# Altium PCB Booster_Main_Board.PcbDoc (part 1 of 13) (continued)
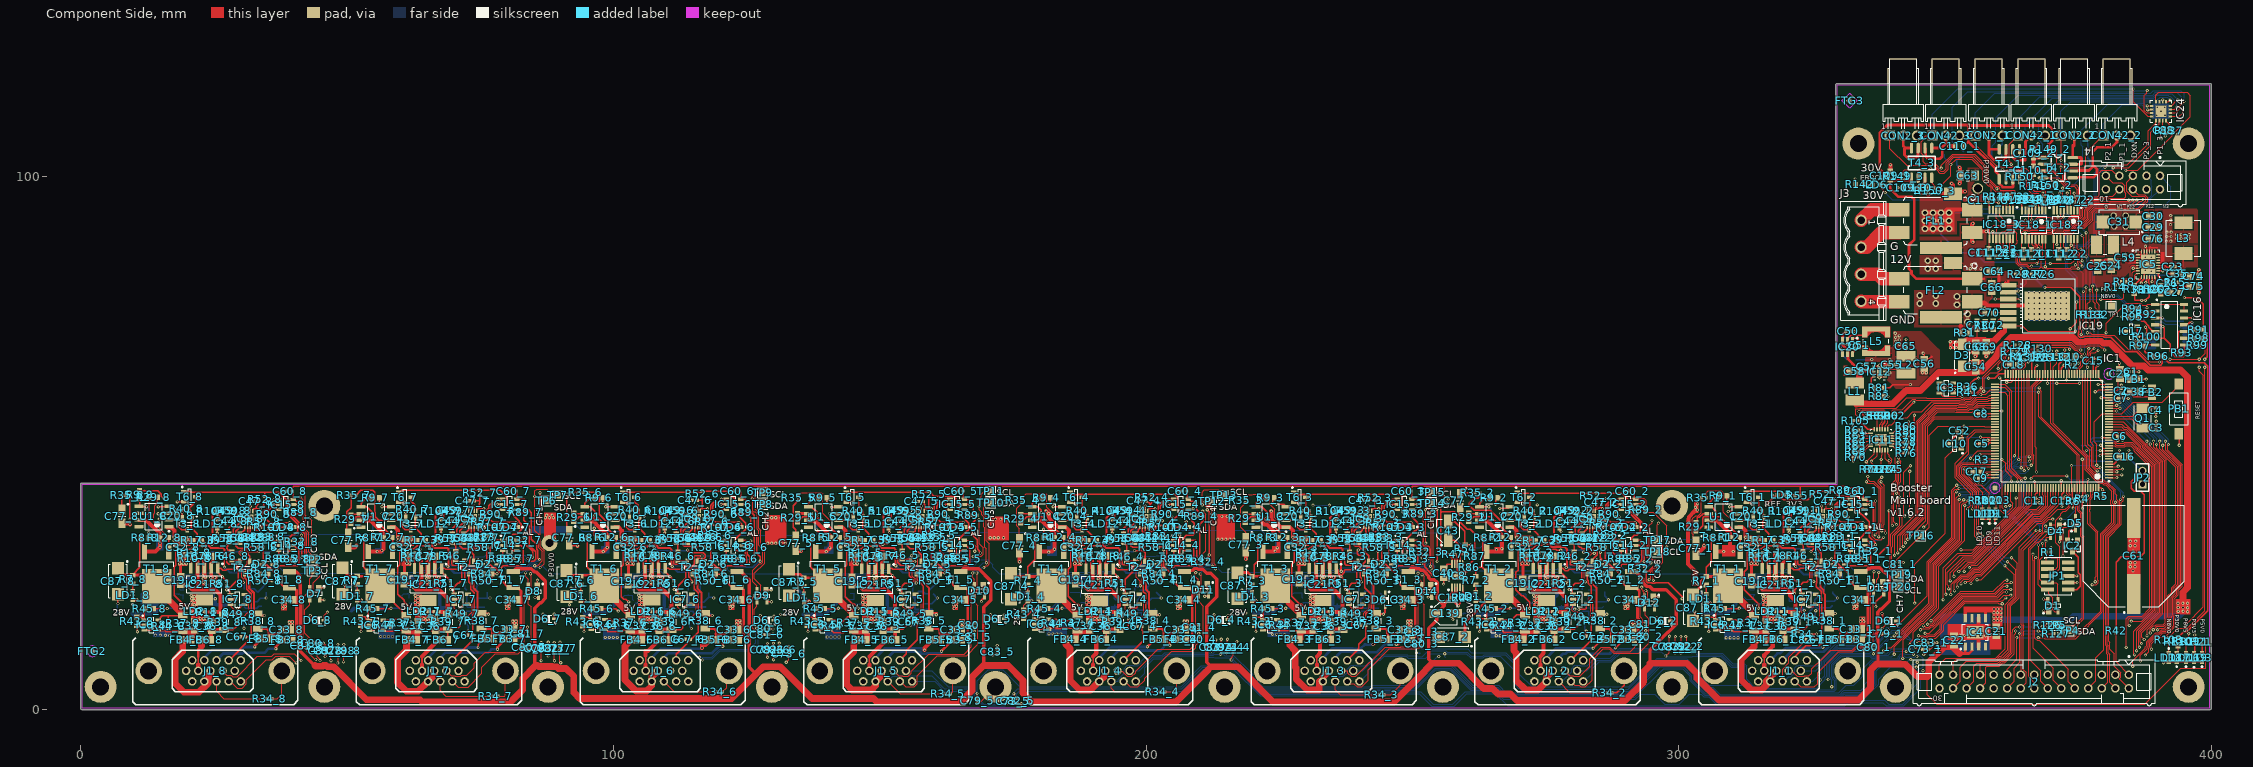
[diagram p0: Component Side view]
## Components (designator, comment, footprint, x,y, rotation, side; value= is the part's Value field where it differs from the comment)
C1 "10nF" CAPC1005X55N 384.962,63.398 r0 top
C2 "10nF" CAPC1005X55N 383.083,59.817 r90 top
C3 "12pF" CAPC1005X55N 389.636,52.908 r90 top
C4 "12pF" CAPC1005X55N 389.534,56.21 r270 top
C5 "100nF" CAPC1005X55N 356.895,49.886 r180 top
C6 "100nF" CAPC1005X55N 382.829,51.283 r0 top
C7 "100nF" CAPC1005X55N 383.057,58.42 r0 top
C8 "100nF" CAPC1005X55N 356.743,55.55 r180 top
C9 "100nF" CAPC1005X55N 356.718,43.409 r180 top
C10 "10uF" CAPC2012X135N 373.405,66.218 r0 top
C11 "100nF" CAPC1005X55N 366.928,39.192 r270 top
C12 "100nF" CAPC1005X55N 366.293,66.065 r90 top
C13 "100nF" CAPC1005X55N 371.932,39.192 r270 top
C14 "100nF" CAPC1005X55N 362.56,66.015 r0 top
C15 "100nF" CAPC1005X55N 377.85,65.507 r90 top
C16 "10uF" CAPC2012X135N 383.616,47.498 r0 top
C17 "2.2uF" CAPC1608X90N 355.956,44.602 r0 top
C18 "2.2uF" CAPC1608X90N 362.89,64.77 r180 top
C19_1 "10uF" CAPC2012X135N 313.69,24.105 r270 top (schematic designator C19)
C19_2 "10uF" CAPC2012X135N 270.713,23.698 r270 top (schematic designator C19)
C19_3 "10uF" CAPC2012X135N 228.727,24.486 r270 top (schematic designator C19)
C19_4 "10uF" CAPC2012X135N 186.766,24.359 r270 top (schematic designator C19)
C19_5 "10uF" CAPC2012X135N 144.78,24.105 r270 top (schematic designator C19)
C19_6 "10uF" CAPC2012X135N 102.819,24.13 r270 top (schematic designator C19)
C19_7 "10uF" CAPC2012X135N 60.757,24.359 r270 top (schematic designator C19)
C19_8 "10uF" CAPC2012X135N 18.728,24.254 r270 top (schematic designator C19)
C20_1 "3.3nF" CAPC1005X55N 312.755,36.275 r270 top (schematic designator C20)
C20_2 "3.3nF" CAPC1005X55N 269.755,36.275 r270 top (schematic designator C20)
C20_3 "3.3nF" CAPC1005X55N 227.755,36.275 r270 top (schematic designator C20)
C20_4 "3.3nF" CAPC1005X55N 185.755,36.275 r270 top (schematic designator C20)
C20_5 "3.3nF" CAPC1005X55N 143.755,36.275 r270 top (schematic designator C20)
C20_6 "3.3nF" CAPC1005X55N 101.755,36.275 r270 top (schematic designator C20)
C20_7 "3.3nF" CAPC1005X55N 59.755,36.275 r270 top (schematic designator C20)
C20_8 "3.3nF" CAPC1005X55N 18.034,36.424 r270 top (schematic designator C20)
C21 "1uF" CAPC2012X110N 359.588,14.707 r90 top
C22 "1uF" CAPC2012X110N 351.688,12.979 r270 top
C23 "100nF" CAPC1005X55N 392.778,83.104 r0 top
C24 "22uF" CAPC2012X135N 381.228,83.354 r270 top
C25 "22uF" CAPC2012X135N 378.65,83.177 r270 top
C26 "22pF" CAPC1005X55N 391.706,80.077 r90 top
C27 "1nF" CAPC1608X87N 393.228,78.314 r0 top
C28 "1uF" CAPC2012X110N 382.837,62.999 r270 top
C29 "22uF" CAPC2012X135N 389.074,90.566 r180 top
C30 "22uF" CAPC2012X135N 389.099,92.649 r180 top
C31 "150uF" CAPMP7343X310N 382.728,91.554 r180 top
C32_1 "4.7uF" CAPC3216X180N 314.113,30.51 r90 top (schematic designator C32)
C32_2 "4.7uF" CAPC3216X180N 271.094,30.531 r90 top (schematic designator C32)
C32_3 "4.7uF" CAPC3216X180N 229.113,30.51 r90 top (schematic designator C32)
C32_4 "4.7uF" CAPC3216X180N 187.113,30.51 r90 top (schematic designator C32)
C32_5 "4.7uF" CAPC3216X180N 145.113,30.51 r90 top (schematic designator C32)
C32_6 "4.7uF" CAPC3216X180N 103.113,30.51 r90 top (schematic designator C32)
C32_7 "4.7uF" CAPC3216X180N 61.113,30.51 r90 top (schematic designator C32)
C32_8 "4.7uF" CAPC3216X180N 19.113,30.481 r90 top (schematic designator C32)
C33_1 "1uF" CAPC2012X110N 333.451,15.113 r180 top (schematic designator C33)
C33_2 "1uF" CAPC2012X110N 290.557,14.986 r180 top (schematic designator C33)
C33_3 "1uF" CAPC2012X110N 248.557,14.986 r180 top (schematic designator C33)
C33_4 "1uF" CAPC2012X110N 206.557,14.986 r180 top (schematic designator C33)
C33_5 "1uF" CAPC2012X110N 164.557,14.986 r180 top (schematic designator C33)
C33_6 "1uF" CAPC2012X110N 122.557,14.986 r180 top (schematic designator C33)
C33_7 "1uF" CAPC2012X110N 80.543,15.062 r180 top (schematic designator C33)
C33_8 "1uF" CAPC2012X110N 38.557,14.986 r180 top (schematic designator C33)
C34_1 "1uF" CAPC2012X110N 334.065,20.628 r0 top (schematic designator C34)
C34_2 "1uF" CAPC2012X110N 291.065,20.628 r0 top (schematic designator C34)
C34_3 "1uF" CAPC2012X110N 249.065,20.628 r0 top (schematic designator C34)
C34_4 "1uF" CAPC2012X110N 207.065,20.628 r0 top (schematic designator C34)
C34_5 "1uF" CAPC2012X110N 165.065,20.628 r0 top (schematic designator C34)
C34_6 "1uF" CAPC2012X110N 123.065,20.628 r0 top (schematic designator C34)
C34_7 "1uF" CAPC2012X110N 81.065,20.628 r0 top (schematic designator C34)
C34_8 "1uF" CAPC2012X110N 39.065,20.599 r0 top (schematic designator C34)
C35 "2.2uF" CAPC1608X90N 393.569,81.778 r180 top
C36_1 "1uF" CAPC2012X110N 319.638,15.675 r270 top (schematic designator C36)
C36_2 "1uF" CAPC2012X110N 276.638,15.675 r270 top (schematic designator C36)
C36_3 "1uF" CAPC2012X110N 234.638,15.675 r270 top (schematic designator C36)
C36_4 "1uF" CAPC2012X110N 192.638,15.675 r270 top (schematic designator C36)
C36_5 "1uF" CAPC2012X110N 150.638,15.675 r270 top (schematic designator C36)
C36_6 "1uF" CAPC2012X110N 108.638,15.675 r270 top (schematic designator C36)
C36_7 "1uF" CAPC2012X110N 66.638,15.675 r270 top (schematic designator C36)
C36_8 "1uF" CAPC2012X110N 24.638,15.646 r270 top (schematic designator C36)
C37_1 "1uF" CAPC2012X110N 316.412,15.748 r270 top (schematic designator C37)
C37_2 "1uF" CAPC2012X110N 273.412,15.748 r270 top (schematic designator C37)
C37_3 "1uF" CAPC2012X110N 231.412,15.748 r270 top (schematic designator C37)
C37_4 "1uF" CAPC2012X110N 189.412,15.748 r270 top (schematic designator C37)
C37_5 "1uF" CAPC2012X110N 147.412,15.748 r270 top (schematic designator C37)
C37_6 "1uF" CAPC2012X110N 105.412,15.748 r270 top (schematic designator C37)
C37_7 "1uF" CAPC2012X110N 63.412,15.748 r270 top (schematic designator C37)
C37_8 "1uF" CAPC2012X110N 21.412,15.719 r270 top (schematic designator C37)
C38 "1uF" CAPC2012X110N 385.639,59.69 r180 top
C39_1 "100nF" CAPC1005X55N 320.451,31.83 r180 top (schematic designator C39)
C39_2 "100nF" CAPC1005X55N 277.451,31.83 r180 top (schematic designator C39)
C39_3 "100nF" CAPC1005X55N 235.451,31.83 r180 top (schematic designator C39)
C39_4 "100nF" CAPC1005X55N 193.451,31.83 r180 top (schematic designator C39)
C39_5 "100nF" CAPC1005X55N 151.451,31.83 r180 top (schematic designator C39)
C39_6 "100nF" CAPC1005X55N 109.451,31.83 r180 top (schematic designator C39)
C39_7 "100nF" CAPC1005X55N 67.451,31.83 r180 top (schematic designator C39)
C39_8 "100nF" CAPC1005X55N 25.451,31.801 r180 top (schematic designator C39)
C40 "22uF" CAPC2012X135N 255.854,25.571 r90 top
C41_1 "10nF" CAPC1005X55N 327.322,32.177 r90 top (schematic designator C41)
C41_2 "10nF" CAPC1005X55N 284.213,32.212 r90 top (schematic designator C41)
C41_3 "10nF" CAPC1005X55N 243.287,32.136 r90 top (schematic designator C41)
C41_4 "10nF" CAPC1005X55N 200.322,32.231 r90 top (schematic designator C41)
C41_5 "10nF" CAPC1005X55N 158.293,32.308 r90 top (schematic designator C41)
C41_6 "10nF" CAPC1005X55N 116.233,32.316 r90 top (schematic designator C41)
C41_7 "10nF" CAPC1005X55N 75.362,32.287 r90 top (schematic designator C41)
C41_8 "10nF" CAPC1005X55N 32.233,32.258 r90 top (schematic designator C41)
C42_1 "1uF" CAPC1005X55N 328.476,32.177 r270 top (schematic designator C42)
C42_2 "1uF" CAPC1005X55N 285.476,32.212 r270 top (schematic designator C42)
C42_3 "1uF" CAPC1005X55N 242.258,32.136 r270 top (schematic designator C42)
C42_4 "1uF" CAPC1005X55N 201.571,32.15 r270 top (schematic designator C42)
C42_5 "1uF" CAPC1005X55N 159.383,32.312 r270 top (schematic designator C42)
C42_6 "1uF" CAPC1005X55N 117.367,32.312 r270 top (schematic designator C42)
C42_7 "1uF" CAPC1005X55N 74.233,32.237 r270 top (schematic designator C42)
C42_8 "1uF" CAPC1005X55N 33.332,32.309 r270 top (schematic designator C42)
C43 "10uF" CAPAE430X540N 256.728,33.551 r90 top
C44_1 "100nF" CAPC1005X55N 323.169,35.335 r180 top (schematic designator C44)
C44_2 "100nF" CAPC1005X55N 280.169,35.335 r180 top (schematic designator C44)
C44_3 "100nF" CAPC1005X55N 238.169,35.335 r180 top (schematic designator C44)
C44_4 "100nF" CAPC1005X55N 196.169,35.335 r180 top (schematic designator C44)
C44_5 "100nF" CAPC1005X55N 154.169,35.335 r180 top (schematic designator C44)
C44_6 "100nF" CAPC1005X55N 112.169,35.335 r180 top (schematic designator C44)
C44_7 "100nF" CAPC1005X55N 70.169,35.335 r180 top (schematic designator C44)
C44_8 "100nF" CAPC1005X55N 28.169,35.306 r180 top (schematic designator C44)
C45_1 "47uF" CAPMP3528X210N 302.986,18.136 r180 bottom (schematic designator C45)
C45_2 "47uF" CAPMP3528X210N 260.853,17.885 r180 bottom (schematic designator C45)
C45_3 "47uF" CAPMP3528X210N 218.728,18.13 r180 bottom (schematic designator C45)
C45_4 "47uF" CAPMP3528X210N 176.886,18.371 r180 bottom (schematic designator C45)
C45_5 "47uF" CAPMP3528X210N 134.228,17.854 r180 bottom (schematic designator C45)
C45_6 "47uF" CAPMP3528X210N 93.124,18.175 r180 bottom (schematic designator C45)
C45_7 "47uF" CAPMP3528X210N 50.825,20.015 r90 bottom (schematic designator C45)
C45_8 "47uF" CAPMP3528X210N 8.296,18.046 r180 bottom (schematic designator C45)
C46 "100nF" CAPC1005X55N 332.459,68.148 r90 bottom
C47_1 "100nF" CAPC1005X55N 328.54,39.065 r270 top (schematic designator C47)
C47_2 "100nF" CAPC1005X55N 285.476,38.954 r270 top (schematic designator C47)
C47_3 "100nF" CAPC1005X55N 241.254,39.28 r0 top (schematic designator C47)
C47_4 "100nF" CAPC1005X55N 199.561,39.159 r0 top (schematic designator C47)
C47_5 "100nF" CAPC1005X55N 157.76,39.065 r0 top (schematic designator C47)
C47_6 "100nF" CAPC1005X55N 115.298,39.284 r0 top (schematic designator C47)
C47_7 "100nF" CAPC1005X55N 73.457,39.199 r0 top (schematic designator C47)
C47_8 "100nF" CAPC1005X55N 32.89,39.129 r0 top (schematic designator C47)
C48_1 "220pF" CAPC1005X55N 326.217,32.262 r90 top (schematic designator C48)
C48_2 "220pF" CAPC1005X55N 283.217,32.262 r90 top (schematic designator C48)
C48_3 "220pF" CAPC1005X55N 241.217,32.262 r90 top (schematic designator C48)
C48_4 "220pF" CAPC1005X55N 199.217,32.262 r90 top (schematic designator C48)
C48_5 "220pF" CAPC1005X55N 157.217,32.262 r90 top (schematic designator C48)
C48_6 "220pF" CAPC1005X55N 115.217,32.262 r90 top (schematic designator C48)
C48_7 "220pF" CAPC1005X55N 73.217,32.262 r90 top (schematic designator C48)
C48_8 "220pF" CAPC1005X55N 31.217,32.233 r90 top (schematic designator C48)
C49_1 "100nF" CAPC1005X55N 322.838,37.392 r90 top (schematic designator C49)
C49_2 "100nF" CAPC1005X55N 279.838,37.392 r90 top (schematic designator C49)
C49_3 "100nF" CAPC1005X55N 237.838,37.392 r90 top (schematic designator C49)
C49_4 "100nF" CAPC1005X55N 195.838,37.392 r90 top (schematic designator C49)
C49_5 "100nF" CAPC1005X55N 153.838,37.392 r90 top (schematic designator C49)
C49_6 "100nF" CAPC1005X55N 111.838,37.392 r90 top (schematic designator C49)
C49_7 "100nF" CAPC1005X55N 69.838,37.392 r90 top (schematic designator C49)
C49_8 "100nF" CAPC1005X55N 27.838,37.363 r90 top (schematic designator C49)
C50 "100nF" CAPC1005X55N 331.789,71.004 r180 top
C51 "100nF" CAPC1005X55N 333.877,68.379 r270 top
C52 "1uF" CAPC1005X55N 352.741,52.33 r180 top
C53 "100nF" CAPC1005X55N 335.969,55.157 r90 top
C54 "22uF" CAPC2012X135N 355.753,64.354 r90 top
C55 "100nF" CAPC1005X55N 339.954,64.719 r180 top
C56 "22uF" CAPC2012X135N 346.126,64.922 r90 top
C57 "100nF" CAPC1005X55N 335.356,64.313 r270 top
C58 "22uF" CAPC2012X135N 332.994,63.5 r0 top
C59 "100nF" CAPC1005X55N 383.853,84.829 r90 top
C60_1 "100nF" CAPC1005X55N 334.226,41.013 r0 top (schematic designator C60)
C60_2 "100nF" CAPC1005X55N 291.226,41.013 r0 top (schematic designator C60)
C60_3 "100nF" CAPC1005X55N 249.226,41.013 r0 top (schematic designator C60)
C60_4 "100nF" CAPC1005X55N 207.226,41.013 r0 top (schematic designator C60)
C60_5 "100nF" CAPC1005X55N 165.226,41.013 r0 top (schematic designator C60)
C60_6 "100nF" CAPC1005X55N 123.226,41.013 r0 top (schematic designator C60)
C60_7 "100nF" CAPC1005X55N 81.226,41.013 r0 top (schematic designator C60)
C60_8 "100nF" CAPC1005X55N 39.226,40.984 r0 top (schematic designator C60)
C61 "4700uF" CAPAE1900X1680N 385.394,28.829 r90 top locked
C62 "1nF" CAPC1608X87N 390.51,78.784 r90 top
C63 "10uF" CAPC3216X190N 354.228,100.254 r0 top
C64 "22uF" CAPC2012X135N 359.228,82.254 r0 top
C65 "100nF" CAPC1005X55N 342.646,68.25 r90 top
C66 "22uF" CAPC2012X135N 358.728,79.254 r90 top
C67_1 "Undefined" CAPC1005X55N 326.365,13.132 r180 top (schematic designator C67)
C67_2 "Undefined" CAPC1005X55N 283.108,13.767 r180 top (schematic designator C67)
C67_3 "Undefined" CAPC1005X55N 240.804,15.807 r180 top (schematic designator C67)
C67_4 "Undefined" CAPC1005X55N 198.775,15.592 r180 top (schematic designator C67)
C67_5 "Undefined" CAPC1005X55N 156.578,16.469 r180 top (schematic designator C67)
C67_6 "Undefined" CAPC1005X55N 113.97,13.183 r180 top (schematic designator C67)
C67_7 "Undefined" CAPC1005X55N 73.152,13.919 r180 top (schematic designator C67)
C67_8 "Undefined" CAPC1005X55N 30.48,13.691 r180 top (schematic designator C67)
C68 "22uF" CAPC2012X135N 355.753,68.079 r90 top
C69 "22uF" CAPC2012X135N 357.728,68.104 r90 top
C70 "10nF" CAPC1608X87N 358.253,74.449 r0 top
C71 "10nF" CAPC1608X87N 356.003,72.124 r270 top
C72 "10nF" CAPC1608X87N 359.053,72.149 r270 top
C73_1 "3.3nF" CAPC1005X55N 346.278,11.303 r0 top (schematic designator C73)
C73_2 "3.3nF" CAPC1005X55N 298.221,11.786 r90 top (schematic designator C73)
C73_3 "3.3nF" CAPC1005X55N 256.565,9.82 r0 bottom (schematic designator C73)
C73_4 "3.3nF" CAPC1005X55N 216.383,11.659 r90 top (schematic designator C73)
C73_5 "3.3nF" CAPC1005X55N 174.93,1.6 r270 top (schematic designator C73)
C73_6 "3.3nF" CAPC1005X55N 132.918,10.516 r90 top (schematic designator C73)
C73_7 "3.3nF" CAPC1005X55N 89.941,11.506 r90 top (schematic designator C73)
C73_8 "3.3nF" CAPC1005X55N 48.285,11.049 r90 top (schematic designator C73)
C74 "22uF" CAPC2012X135N 396.728,81.353 r180 top
C75 "22uF" CAPC2012X135N 396.728,79.486 r180 top
C76 "22uF" CAPC2012X135N 389.077,88.392 r180 top
C77_1 "1uF" CAPMP3216X180N 303.228,30.254 r270 top (schematic designator C77)
C77_2 "1uF" CAPMP3216X180N 258.958,39.199 r270 top (schematic designator C77)
C77_3 "1uF" CAPMP3216X180N 218.728,30.963 r270 top (schematic designator C77)
C77_4 "1uF" CAPMP3216X180N 176.228,30.754 r270 top (schematic designator C77)
C77_5 "1uF" CAPMP3216X180N 134.228,31.254 r270 top (schematic designator C77)
C77_6 "1uF" CAPMP3216X180N 91.728,32.254 r270 top (schematic designator C77)
C77_7 "1uF" CAPMP3216X180N 50.228,31.754 r270 top (schematic designator C77)
C77_8 "1uF" CAPMP3216X180N 7.728,36.254 r270 top (schematic designator C77)
C78_1 "10uF" CAPC2012X135N 319.405,28.829 r180 top (schematic designator C78)
C78_2 "10uF" CAPC2012X135N 275.869,28.829 r180 top (schematic designator C78)
C78_3 "10uF" CAPC2012X135N 234.188,28.778 r180 top (schematic designator C78)
C78_4 "10uF" CAPC2012X135N 108.102,28.854 r180 top (schematic designator C78)
C78_5 "10uF" CAPC2012X135N 66.091,28.804 r180 top (schematic designator C78)
C78_6 "10uF" CAPC2012X135N 23.927,28.804 r180 top (schematic designator C78)
C78_7 "10uF" CAPC2012X135N 149.987,28.804 r180 top (schematic designator C78)
C78_8 "10uF" CAPC2012X135N 191.973,28.854 r180 top (schematic designator C78)
C79_1 "3.3nF" CAPC1005X55N 338.912,14.275 r0 top (schematic designator C79)
C79_2 "3.3nF" CAPC1005X55N 300.431,11.811 r90 top (schematic designator C79)
C79_3 "3.3nF" CAPC1005X55N 251.89,10.485 r180 bottom (schematic designator C79)
C79_4 "3.3nF" CAPC1005X55N 214.147,11.709 r90 top (schematic designator C79)
C79_5 "3.3nF" CAPC1005X55N 168.285,1.696 r270 top (schematic designator C79)
C79_6 "3.3nF" CAPC1005X55N 128.905,11.227 r90 top (schematic designator C79)
C79_7 "3.3nF" CAPC1005X55N 86.436,11.455 r90 top (schematic designator C79)
C79_8 "3.3nF" CAPC1005X55N 49.352,11.049 r90 top (schematic designator C79)
C80_1 "Undefined" CAPC1005X55N 336.575,11.679 r270 top (schematic designator C80)
C80_2 "Undefined" CAPC1005X55N 293.802,13.64 r90 top (schematic designator C80)
C80_3 "Undefined" CAPC1005X55N 251.663,12.319 r90 top (schematic designator C80)
C80_4 "Undefined" CAPC1005X55N 209.956,13.208 r90 top (schematic designator C80)
C80_5 "Undefined" CAPC1005X55N 167.792,15.799 r270 top (schematic designator C80)
C80_6 "Undefined" CAPC1005X55N 128.803,15.138 r0 top (schematic designator C80)
C80_7 "Undefined" CAPC1005X55N 84.125,11.709 r270 top (schematic designator C80)
C80_8 "Undefined" CAPC1005X55N 44.45,12.471 r0 top (schematic designator C80)
C81_1 "Undefined" CAPC1005X55N 341.482,27.258 r90 top (schematic designator C81)
C81_2 "Undefined" CAPC1005X55N 293.802,15.977 r270 top (schematic designator C81)
C81_3 "Undefined" CAPC1005X55N 251.689,14.58 r270 top (schematic designator C81)
C81_4 "Undefined" CAPC1005X55N 209.88,15.494 r270 top (schematic designator C81)
C81_5 "Undefined" CAPC1005X55N 167.767,13.538 r90 top (schematic designator C81)
C81_6 "Undefined" CAPC1005X55N 128.803,14.072 r0 top (schematic designator C81)
C81_7 "Undefined" CAPC1005X55N 83.845,14.249 r90 top (schematic designator C81)
C81_8 "Undefined" CAPC1005X55N 42.52,11.963 r90 top (schematic designator C81)
C82_1 "Undefined" CAPC1005X55N 324.282,13.081 r0 top (schematic designator C82)
C82_2 "Undefined" CAPC1005X55N 301.523,11.862 r90 top (schematic designator C82)
C82_3 "Undefined" CAPC1005X55N 250.328,11.374 r0 bottom (schematic designator C82)
C82_4 "Undefined" CAPC1005X55N 215.265,11.709 r90 top (schematic designator C82)
C82_5 "Undefined" CAPC1005X55N 175.844,1.626 r270 top (schematic designator C82)
C82_6 "Undefined" CAPC1005X55N 130.023,11.227 r90 top (schematic designator C82)
C82_7 "Undefined" CAPC1005X55N 88.9,11.481 r90 top (schematic designator C82)
C82_8 "Undefined" CAPC1005X55N 46.965,11.024 r90 top (schematic designator C82)
C83_1 "Undefined" CAPC1005X55N 347.345,12.497 r0 top (schematic designator C83)
C83_2 "Undefined" CAPC1005X55N 299.339,11.811 r90 top (schematic designator C83)
C83_3 "Undefined" CAPC1005X55N 253.633,9.311 r180 bottom (schematic designator C83)
C83_4 "Undefined" CAPC1005X55N 213.131,11.684 r90 top (schematic designator C83)
C83_5 "Undefined" CAPC1005X55N 172.06,10.871 r90 top (schematic designator C83)
C83_6 "Undefined" CAPC1005X55N 131.14,11.227 r90 top (schematic designator C83)
C83_7 "Undefined" CAPC1005X55N 87.757,11.506 r90 top (schematic designator C83)
C83_8 "Undefined" CAPC1005X55N 45.872,10.998 r90 top (schematic designator C83)
C84_1 "100nF" CAPC1005X55N 235.529,22.304 r0 bottom (schematic designator C84)
C84_2 "100nF" CAPC1005X55N 320.307,21.953 r0 bottom (schematic designator C84)
C84_3 "100nF" CAPC1005X55N 277.628,22.331 r0 bottom (schematic designator C84)
C84_4 "100nF" CAPC1005X55N 193.528,22.189 r0 bottom (schematic designator C84)
C84_5 "100nF" CAPC1005X55N 151.828,22.254 r0 bottom (schematic designator C84)
C84_6 "100nF" CAPC1005X55N 110.016,22.064 r0 bottom (schematic designator C84)
C84_7 "100nF" CAPC1005X55N 67.928,22.394 r0 bottom (schematic designator C84)
C84_8 "100nF" CAPC1005X55N 25.523,22.338 r0 bottom (schematic designator C84)
C85_1 "100nF" CAPC1005X55N 325.972,16.244 r180 bottom (schematic designator C85)
C85_2 "100nF" CAPC1005X55N 282.728,16.13 r180 bottom (schematic designator C85)
C85_3 "100nF" CAPC1005X55N 240.478,15.807 r180 bottom (schematic designator C85)
C85_4 "100nF" CAPC1005X55N 198.775,15.592 r180 bottom (schematic designator C85)
C85_5 "100nF" CAPC1005X55N 157.028,15.794 r180 bottom (schematic designator C85)
C85_6 "100nF" CAPC1005X55N 114.52,16.064 r180 bottom (schematic designator C85)
C85_7 "100nF" CAPC1005X55N 72.878,16.051 r180 bottom (schematic designator C85)
C85_8 "100nF" CAPC1005X55N 31.083,16.197 r180 bottom (schematic designator C85)
C86_1 "10nF" CAPC1608X87N 328.08,22.072 r0 bottom (schematic designator C86)
C86_2 "10nF" CAPC1608X87N 285.289,22.13 r0 bottom (schematic designator C86)
C86_3 "10nF" CAPC1608X87N 243.128,21.867 r0 bottom (schematic designator C86)
C86_4 "10nF" CAPC1608X87N 201.108,21.979 r0 bottom (schematic designator C86)
C86_5 "10nF" CAPC1608X87N 159.228,21.784 r0 bottom (schematic designator C86)
C86_6 "10nF" CAPC1608X87N 117.12,21.964 r0 bottom (schematic designator C86)
C86_7 "10nF" CAPC1608X87N 75.528,22.054 r0 bottom (schematic designator C86)
C86_8 "10nF" CAPC1608X87N 33.983,22.021 r0 bottom (schematic designator C86)
C87_1 "10uF" CAPMP6032X280N 302.702,19.138 r270 top (schematic designator C87)
C87_2 "10uF" CAPMP6032X280N 257.404,13.646 r180 top (schematic designator C87)
C87_3 "10uF" CAPMP6032X280N 217.147,23.265 r270 top (schematic designator C87)
C87_4 "10uF" CAPMP6032X280N 174.656,23.154 r270 top (schematic designator C87)
C87_5 "10uF" CAPMP6032X280N 132.918,23.855 r270 top (schematic designator C87)
C87_6 "10uF" CAPMP6032X280N 91.229,23.654 r270 top (schematic designator C87)
C87_7 "10uF" CAPMP6032X280N 49.093,24.13 r270 top (schematic designator C87)
C87_8 "10uF" CAPMP6032X280N 6.952,24.098 r270 top (schematic designator C87)
C88 "100nF" CAPC1005X55N 391.036,108.733 r90 top
C89_1 "10uF" CAPC2012X135N 10.617,22.073 r180 bottom (schematic designator C89)
C89_2 "10uF" CAPC2012X135N 220.37,21.869 r180 bottom (schematic designator C89)
C89_3 "10uF" CAPC2012X135N 262.357,21.819 r180 bottom (schematic designator C89)
C89_4 "10uF" CAPC2012X135N 305.079,21.996 r180 bottom (schematic designator C89)
C89_5 "10uF" CAPC2012X135N 136.296,21.59 r180 bottom (schematic designator C89)
C89_6 "10uF" CAPC2012X135N 94.158,21.768 r180 bottom (schematic designator C89)
C89_7 "10uF" CAPC2012X135N 52.197,23.419 r180 bottom (schematic designator C89)
C89_8 "10uF" CAPC2012X135N 178.181,21.92 r180 bottom (schematic designator C89)
C90_1 "100pF" CAPC1005X55N 313.385,22.073 r90 bottom (schematic designator C90)
C90_2 "100pF" CAPC1005X55N 270.383,22.25 r90 bottom (schematic designator C90)
C90_3 "100pF" CAPC1005X55N 228.448,22.327 r90 bottom (schematic designator C90)
C90_4 "100pF" CAPC1005X55N 186.792,22.504 r90 bottom (schematic designator C90)
C90_5 "100pF" CAPC1005X55N 144.374,22.207 r90 bottom (schematic designator C90)
C90_6 "100pF" CAPC1005X55N 102.794,21.971 r90 bottom (schematic designator C90)
C90_7 "100pF" CAPC1005X55N 60.655,22.232 r90 bottom (schematic designator C90)
C90_8 "100pF" CAPC1005X55N 18.491,22.156 r90 bottom (schematic designator C90)
C109_1 "1uF" CAPC1608X87N 339.728,100.254 r270 top (schematic designator C109)
C109_2 "1uF" CAPC1608X87N 366.598,104.394 r270 top (schematic designator C109)
C109_3 "1uF" CAPC1608X87N 342.803,97.954 r0 top (schematic designator C109)
C110_1 "1uF" CAPC1608X87N 352.728,105.754 r0 top (schematic designator C110)
C110_2 "1uF" CAPC1608X87N 366.598,101.219 r90 top (schematic designator C110)
C110_3 "1uF" CAPC1608X87N 346.003,97.979 r180 top (schematic designator C110)
C111_1 "1nF" CAPC1608X87N 364.703,85.554 r90 top (schematic designator C111)
C111_2 "1nF" CAPC1608X87N 371.353,85.554 r270 top (schematic designator C111)
C111_3 "1nF" CAPC1608X87N 358.228,85.729 r90 top (schematic designator C111)
C112_1 "1nF" CAPC1608X87N 366.228,85.554 r270 top (schematic designator C112)
C112_2 "1nF" CAPC1608X87N 372.878,85.554 r90 top (schematic designator C112)
C112_3 "1nF" CAPC1608X87N 359.728,85.729 r270 top (schematic designator C112)
C113_1 "100nF" CAPC1005X55N 364.253,95.604 r270 top (schematic designator C113)
C113_2 "100nF" CAPC1005X55N 370.125,95.539 r270 top (schematic designator C113)
C113_3 "100nF" CAPC1005X55N 358.128,95.629 r270 top (schematic designator C113)
C122 "100nF" CAPC1005X55N 257.541,20.992 r180 top
C139 "10uF" CAPAE430X540N 256.253,18.032 r0 top
CON2_1 "KK®" MOLEX_22-05-7038 358.229,107.774 r0 top locked (schematic designator CON2)
CON2_2 "KK®" MOLEX_22-05-7038 374.254,107.774 r0 top locked (schematic designator CON2)
CON2_3 "KK®" MOLEX_22-05-7038 342.154,107.749 r0 top locked (schematic designator CON2)
CON42_1 "KK®" MOLEX_22-05-7038 366.229,107.774 r0 top locked (schematic designator CON42)
CON42_2 "KK®" MOLEX_22-05-7038 382.254,107.774 r0 top locked (schematic designator CON42)
CON42_3 "KK®" MOLEX_22-05-7038 350.154,107.749 r0 top locked (schematic designator CON42)
D1 "PRTR5V0U2X" SOT190P230X110-4N 370.228,19.504 r90 top
D2_1 "BAT165" SOD2512X110N 329.776,27.263 r0 top (schematic designator D2)
D2_2 "BAT165" SOD2512X110N 286.776,27.263 r0 top (schematic designator D2)
D2_3 "BAT165" SOD2512X110N 244.776,27.263 r0 top (schematic designator D2)
D2_4 "BAT165" SOD2512X110N 202.776,27.263 r0 top (schematic designator D2)
D2_5 "BAT165" SOD2512X110N 160.776,27.263 r0 top (schematic designator D2)
D2_6 "BAT165" SOD2512X110N 118.776,27.263 r0 top (schematic designator D2)
D2_7 "BAT165" SOD2512X110N 76.776,27.263 r0 top (schematic designator D2)
D2_8 "BAT165" SOD2512X110N 34.776,27.234 r0 top (schematic designator D2)
D3 "SS16" DIOM5127X229N 353.228,66.504 r90 top
D4 "PRTR5V0U2X" SOT190P230X110-4N 370.728,33.504 r270 top
D5 "BAT165" SOD2512X110N 374.478,35.004 r90 top
D6_1 "BAT165" SOD2512X110N 339.547,16.637 r180 top (schematic designator D6)
D6_2 "BAT165" SOD2512X110N 297.129,16.637 r180 top (schematic designator D6)
D6_3 "BAT165" SOD2512X110N 244.869,20.586 r270 top (schematic designator D6)
D6_4 "BAT165" SOD2512X110N 214.071,16.891 r180 top (schematic designator D6)
D6_5 "BAT165" SOD2512X110N 172.08,17.028 r180 top (schematic designator D6)
D6_6 "BAT165" SOD2512X110N 128.854,16.764 r180 top (schematic designator D6)
D6_7 "BAT165" SOD2512X110N 87.579,17.018 r180 top (schematic designator D6)
D6_8 "BAT165" SOD2512X110N 44.382,16.738 r180 top (schematic designator D6)
D7 "PRTR5V0U2X" SOT190P230X110-4N 43.917,21.742 r270 top
D8 "PRTR5V0U2X" SOT190P230X110-4N 84.963,22.174 r270 top
D9 "PRTR5V0U2X" SOT190P230X110-4N 127.889,21.361 r270 top
D10 "PRTR5V0U2X" SOT190P230X110-4N 168.681,22.327 r270 top
D11 "PRTR5V0U2X" SOT190P230X110-4N 210.744,22.454 r270 top
D12 "PRTR5V0U2X" SOT190P230X110-4N 294.488,20.091 r270 top
D13 "PRTR5V0U2X" SOT190P230X110-4N 337.515,22.835 r270 top
D14 "PRTR5V0U2X" SOT190P230X110-4N 252.679,22.25 r270 top
D15 "BAT165" SOD2512X110N 387.299,74.092 r90 bottom
F1_1 "350mA-6V" FUSR_TYCO_MICROSMD035F 334.192,24.413 r270 top (schematic designator F1)
F1_2 "350mA-6V" FUSR_TYCO_MICROSMD035F 291.192,24.413 r270 top (schematic designator F1)
F1_3 "350mA-6V" FUSR_TYCO_MICROSMD035F 249.192,24.413 r270 top (schematic designator F1)
F1_4 "350mA-6V" FUSR_TYCO_MICROSMD035F 207.192,24.413 r270 top (schematic designator F1)
F1_5 "350mA-6V" FUSR_TYCO_MICROSMD035F 165.192,24.413 r270 top (schematic designator F1)
F1_6 "350mA-6V" FUSR_TYCO_MICROSMD035F 123.192,24.413 r270 top (schematic designator F1)
F1_7 "350mA-6V" FUSR_TYCO_MICROSMD035F 81.192,24.413 r270 top (schematic designator F1)
F1_8 "350mA-6V" FUSR_TYCO_MICROSMD035F 39.192,24.384 r270 top (schematic designator F1)
FB1 "220R@100MHz" INDC2012X105N 385.67,62.027 r0 top
FB2 "220R@100MHz" INDC2012X105N 388.858,59.563 r90 top
FB3_1 "220R@100MHz" INDC2012X105N 333.451,13.208 r180 top (schematic designator FB3)
FB3_2 "220R@100MHz" INDC2012X105N 290.652,13.208 r180 top (schematic designator FB3)
FB3_3 "220R@100MHz" INDC2012X105N 248.996,13.183 r180 top (schematic designator FB3)
FB3_4 "220R@100MHz" INDC2012X105N 206.578,13.208 r180 top (schematic designator FB3)
FB3_5 "220R@100MHz" INDC2012X105N 164.541,13.081 r180 top (schematic designator FB3)
FB3_6 "220R@100MHz" INDC2012X105N 122.631,13.081 r180 top (schematic designator FB3)
FB3_7 "220R@100MHz" INDC2012X105N 80.493,13.31 r180 top (schematic designator FB3)
FB3_8 "220R@100MHz" INDC2012X105N 38.811,13.081 r180 top (schematic designator FB3)
FB4_1 "220R@100MHz" INDC2012X105N 315.163,13.208 r0 top (schematic designator FB4)
FB4_2 "220R@100MHz" INDC2012X105N 269.951,13.208 r0 top (schematic designator FB4)
FB4_3 "220R@100MHz" INDC2012X105N 227.914,13.208 r0 top (schematic designator FB4)
FB4_4 "220R@100MHz" INDC2012X105N 185.877,13.208 r0 top (schematic designator FB4)
FB4_5 "220R@100MHz" INDC2012X105N 146.634,13.081 r0 top (schematic designator FB4)
FB4_6 "220R@100MHz" INDC2012X105N 104.47,13.081 r0 top (schematic designator FB4)
FB4_7 "220R@100MHz" INDC2012X105N 62.179,13.081 r0 top (schematic designator FB4)
FB4_8 "220R@100MHz" INDC2012X105N 19.888,13.081 r0 top (schematic designator FB4)
FB5_1 "220R@100MHz" INDC2012X105N 329.514,13.208 r180 top (schematic designator FB5)
FB5_2 "220R@100MHz" INDC2012X105N 286.588,13.208 r180 top (schematic designator FB5)
FB5_3 "220R@100MHz" INDC2012X105N 244.678,13.208 r180 top (schematic designator FB5)
FB5_4 "220R@100MHz" INDC2012X105N 202.514,13.208 r180 top (schematic designator FB5)
FB5_5 "220R@100MHz" INDC2012X105N 160.604,13.081 r180 top (schematic designator FB5)
FB5_6 "220R@100MHz" INDC2012X105N 118.567,13.081 r180 top (schematic designator FB5)
FB5_7 "220R@100MHz" INDC2012X105N 76.53,13.335 r180 top (schematic designator FB5)
FB5_8 "220R@100MHz" INDC2012X105N 34.747,13.335 r180 top (schematic designator FB5)
FB6_1 "220R@100MHz" INDC2012X105N 318.973,13.208 r0 top (schematic designator FB6)
FB6_2 "220R@100MHz" INDC2012X105N 275.793,13.208 r0 top (schematic designator FB6)
FB6_3 "220R@100MHz" INDC2012X105N 233.756,13.208 r0 top (schematic designator FB6)
FB6_4 "220R@100MHz" INDC2012X105N 191.592,13.208 r0 top (schematic designator FB6)
FB6_5 "220R@100MHz" INDC2012X105N 152.222,13.081 r0 top (schematic designator FB6)
FB6_6 "220R@100MHz" INDC2012X105N 109.423,13.081 r0 top (schematic designator FB6)
FB6_7 "220R@100MHz" INDC2012X105N 68.021,13.081 r0 top (schematic designator FB6)
FB6_8 "220R@100MHz" INDC2012X105N 23.571,13.081 r0 top (schematic designator FB6)
FL1 "10A/50VDC" FIL_MURATA_BNX02 348.228,91.754 r0 top
FL2 "10A/50VDC" FIL_MURATA_BNX02 348.228,78.754 r0 top locked
FTG1 "Use only in PCB" FIDUCIAL_TOP_C100-200 2.184,10.947 r90 bottom
FTG2 "Use only in PCB" FIDUCIAL_TOP_C100-200 2.184,10.947 r90 top
FTG3 "Use only in PCB" FIDUCIAL_TOP_S100-200 332.054,114.3 r90 top
FTG4 "Use only in PCB" FIDUCIAL_TOP_S100-200 332.054,114.275 r90 bottom
IC1 "STM32F407ZGT6" QFP50P2200X2200X160-144N 370.053,52.299 r180 top
IC2 "STM809SWX6F" SOT-23 374.853,31.801 r180 top
IC3 "24AA02E48T-I/OT" SOT95P280X145-5N 350.223,60.376 r0 top
IC4 "ADP7102ARDZ-5.0-R7" SOIC127P600X175-9N-R241X309 355.676,14.503 r90 top
IC5 "LTC7149EUFD#PBF" QFN50P400X500X80_HS-29N 388.108,83.607 r0 top
IC6_1 "LT6106CS5#TRMPBF" SOT95P280X145-5N 308.235,15.926 r0 top (schematic designator IC6)
IC6_2 "LT6106CS5#TRMPBF" SOT95P280X145-5N 265.247,15.904 r0 top (schematic designator IC6)
IC6_3 "LT6106CS5#TRMPBF" SOT95P280X145-5N 223.247,15.904 r0 top (schematic designator IC6)
IC6_4 "LT6106CS5#TRMPBF" SOT95P280X145-5N 180.409,16.01 r0 top (schematic designator IC6)
IC6_5 "LT6106CS5#TRMPBF" SOT95P280X145-5N 139.263,15.904 r0 top (schematic designator IC6)
IC6_6 "LT6106CS5#TRMPBF" SOT95P280X145-5N 97.122,15.977 r0 top (schematic designator IC6)
IC6_7 "LT6106CS5#TRMPBF" SOT95P280X145-5N 55.487,15.824 r0 top (schematic designator IC6)
IC6_8 "LT6106CS5#TRMPBF" SOT95P280X145-5N 13.235,15.875 r0 top (schematic designator IC6)
IC7_1 "LT6106CS5#TRMPBF" SOT95P280X145-5N 324.413,20.701 r0 top (schematic designator IC7)
IC7_2 "LT6106CS5#TRMPBF" SOT95P280X145-5N 281.413,20.701 r0 top (schematic designator IC7)
IC7_3 "LT6106CS5#TRMPBF" SOT95P280X145-5N 239.413,20.701 r0 top (schematic designator IC7)
IC7_4 "LT6106CS5#TRMPBF" SOT95P280X145-5N 197.413,20.701 r0 top (schematic designator IC7)
IC7_5 "LT6106CS5#TRMPBF" SOT95P280X145-5N 155.413,20.701 r0 top (schematic designator IC7)
IC7_6 "LT6106CS5#TRMPBF" SOT95P280X145-5N 113.413,20.701 r0 top (schematic designator IC7)
IC7_7 "LT6106CS5#TRMPBF" SOT95P280X145-5N 71.413,20.701 r0 top (schematic designator IC7)
IC7_8 "LT6106CS5#TRMPBF" SOT95P280X145-5N 29.413,20.672 r0 top (schematic designator IC7)
IC8 "LT3042EMSE#PBF" SOP50P490X110-11N-R168X198 258.428,25.115 r90 top
IC9_1 "ADS7924IRTET" TI-RTE16-1700X1700TP_V 326.572,35.814 r180 top (schematic designator IC9)
IC9_2 "ADS7924IRTET" TI-RTE16-1700X1700TP_V 283.572,35.814 r180 top (schematic designator IC9)
IC9_3 "ADS7924IRTET" TI-RTE16-1700X1700TP_V 241.572,35.814 r180 top (schematic designator IC9)
IC9_4 "ADS7924IRTET" TI-RTE16-1700X1700TP_V 199.572,35.814 r180 top (schematic designator IC9)
IC9_5 "ADS7924IRTET" TI-RTE16-1700X1700TP_V 157.572,35.814 r180 top (schematic designator IC9)
IC9_6 "ADS7924IRTET" TI-RTE16-1700X1700TP_V 115.572,35.814 r180 top (schematic designator IC9)
IC9_7 "ADS7924IRTET" TI-RTE16-1700X1700TP_V 73.572,35.814 r180 top (schematic designator IC9)
IC9_8 "ADS7924IRTET" TI-RTE16-1700X1700TP_V 31.572,35.785 r180 top (schematic designator IC9)
IC10 "MCP1525T-I/TT" SOT95P251X112-3N 351.82,49.907 r180 top
IC11 "TCA9548ARGER" QFN50P400X400X100-25N-S220 337.969,50.657 r0 top
IC12 "TPS62175DQC" SON50P200X300X80-11N-R94X250 337.673,63.459 r0 top
IC13_1 "LP3872EMP-5.0/NOPB" SOT150P700X180-5N 310.023,18.234 r270 bottom (schematic designator IC13)
IC13_2 "LP3872EMP-5.0/NOPB" SOT150P700X180-5N 267.107,18.507 r270 bottom (schematic designator IC13)
IC13_3 "LP3872EMP-5.0/NOPB" SOT150P700X180-5N 225.127,18.586 r270 bottom (schematic designator IC13)
IC13_4 "LP3872EMP-5.0/NOPB" SOT150P700X180-5N 183.463,19.079 r270 bottom (schematic designator IC13)
IC13_5 "LP3872EMP-5.0/NOPB" SOT150P700X180-5N 141.135,18.366 r270 bottom (schematic designator IC13)
IC13_6 "LP3872EMP-5.0/NOPB" SOT150P700X180-5N 99.528,18.087 r270 bottom (schematic designator IC13)
IC13_7 "LP3872EMP-5.0/NOPB" SOT150P700X180-5N 57.309,18.461 r270 bottom (schematic designator IC13)
IC13_8 "LP3872EMP-5.0/NOPB" SOT150P700X180-5N 15.196,18.518 r270 bottom (schematic designator IC13)
IC14_1 "LM3880-1AC/NOPB" SOT95P280X145-6N 333.532,30.814 r0 top (schematic designator IC14)
IC14_2 "LM3880-1AC/NOPB" SOT95P280X145-6N 290.532,30.814 r0 top (schematic designator IC14)
IC14_3 "LM3880-1AC/NOPB" SOT95P280X145-6N 248.532,30.814 r0 top (schematic designator IC14)
IC14_4 "LM3880-1AC/NOPB" SOT95P280X145-6N 206.532,30.814 r0 top (schematic designator IC14)
IC14_5 "LM3880-1AC/NOPB" SOT95P280X145-6N 164.532,30.814 r0 top (schematic designator IC14)
IC14_6 "LM3880-1AC/NOPB" SOT95P280X145-6N 122.532,30.814 r0 top (schematic designator IC14)
IC14_7 "LM3880-1AC/NOPB" SOT95P280X145-6N 80.532,30.814 r0 top (schematic designator IC14)
IC14_8 "LM3880-1AC/NOPB" SOT95P280X145-6N 38.532,30.785 r0 top (schematic designator IC14)
IC15_1 "DAC7571DBV" SOT95P280X145-6N 333.526,38.513 r180 top (schematic designator IC15)
IC15_2 "DAC7571DBV" SOT95P280X145-6N 290.526,38.513 r180 top (schematic designator IC15)
IC15_3 "DAC7571DBV" SOT95P280X145-6N 248.526,38.513 r180 top (schematic designator IC15)